# KiCad board corevus-g.kicad_pcb (continued)
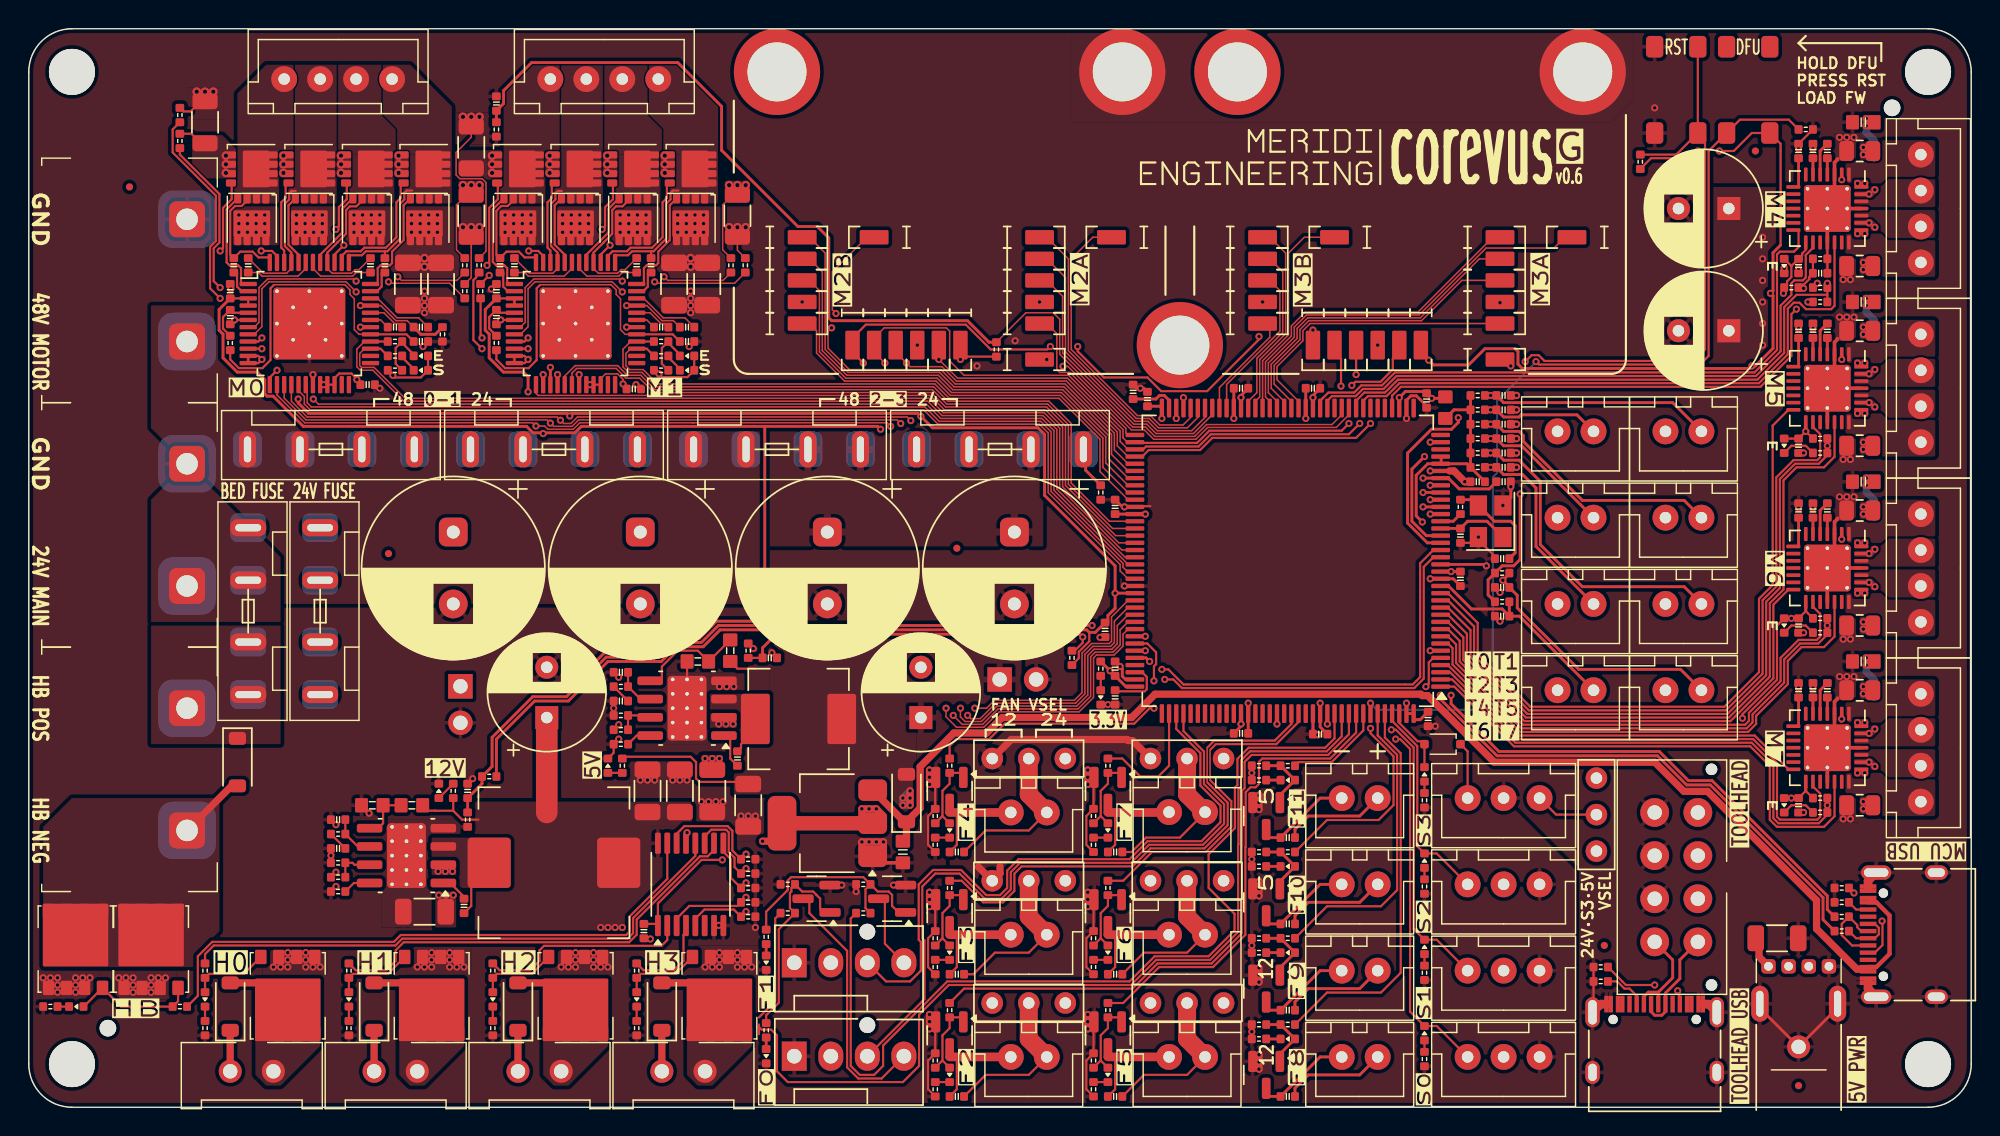
[diagram p0: board, top side]
## Copper pours and planes (outline as drawn; the poured copper is in the pictures) (continued)
+12V on In2.Cu: 114.75,15.75 117.25,15.75 117.25,13.25 114.75,13.25
+24V on Top: 29.7,15 29.7,12.5 28.25,12.5 28.25,15
+24V on Top: 49.2,27.4 49.2,26.25 47.3,26.25 47.3,27.4
+24V on Top: 127.45,56.5 127.45,55.5 128.7,55.5 128.7,56.5
+24V on Top: 127.45,31.5 127.45,30.5 128.7,30.5 128.7,31.5
+24V on Top: 46.75,24.5 48.25,24.5 48.25,23 46.75,23
+24V on Top: 29.7,17 29.7,15.75 28,15.75 28,17
+24V on Top: 127.45,44 127.45,43 128.7,43 128.7,44
+24V on Top: 117,64 122,64 122,53 120,51 116,51 116,52 117,53
+24V on Top: 127.45,69 127.45,68 128.7,68 128.7,69
+24V on Bottom: 44.25,30.25 47.25,30.25 47.25,25.25 44.25,25.25
+24V on Bottom: 25,20 28,20 28,15 25,15
+24V on Bottom: 18.5,33.25 22,33.25 22,26.75 18.5,26.75
+24V on Bottom: 116.25,27.75 71.5,27.75 66,33.25 16.75,33.25 16.75,27.5 14.5,25.25 9,25.25 9,21.25 11,19.25 9,17.25 9,0 127,0 127,17.25 135,17.25 135,67 123.5,67 120,63.5 120,31.5
+24V on Bottom: 12.25,4 45.5,4 45.5,1 12.25,1
+24V on Bottom: 15.25,24 20.5,24 20.5,16 15.25,16
+24V on Bottom: 114.75,21.75 117.25,21.75 117.25,16.25 114.75,16.25
GND on Top: 127.25,30.2 127.25,28.3 125.5,28.3 125.5,30.2
GND on Top: 50.48,59.58 50.48,61.5 48.52,61.5 48.52,59.58
GND on Top: 10.25,7.5 5.75,7.5 5.75,9.5 10.25,9.5
GND on Top: 125.45,32.3 125.45,34.2 127.2,34.2 127.2,32.3
GND on Top: 26.25,11.25 30.75,11.25 30.75,9.25 26.25,9.25
GND on Top: 43,57.25 48.75,57.25 48.75,54.75 43,54.75
GND on Top: 24.5,57.25 30.25,57.25 30.25,54.75 24.5,54.75
GND on Top: 46.75,24.5 46.75,22.5 41.75,22.5 41.75,24.5
GND on Top: 51.25,21.5 51.25,18.5 46.25,18.5 46.25,21.5
GND on Top: 127.25,67.7 127.25,65.8 125.5,65.8 125.5,67.7
GND on Top: 127.25,55.2 127.25,53.3 125.5,53.3 125.5,55.2
GND on Top: 31.62,59.98 31.62,61.35 31.45,61.5 30.05,61.5 29.88,61.3 29.88,59.98
GND on Top: 24.5,20 30,20 30,18.5 28,18.5 28,12.5 24.5,12.5
GND on Top: 44,30.25 49.5,30.25 49.5,28.75 47.25,28.75 47.25,25.25 44,25.25
GND on Top: 16.25,11.25 20.75,11.25 20.75,9.25 16.25,9.25
GND on Top: 125.45,19.8 125.45,21.7 127.2,21.7 127.2,19.8
GND on Top: 125.45,44.8 125.45,46.7 127.2,46.7 127.2,44.8
GND on Top: 127.25,42.7 127.25,40.8 125.5,40.8 125.5,42.7
GND on Top: 13.5,68.7 13.5,70.92 11,70.92 11,68.7
GND on Top: 125.45,57.3 125.45,59.2 127.2,59.2 127.2,57.3
GND on Top: 5,7.5 0.5,7.5 0.5,9.5 5,9.5
GND on Top: 26.25,11.25 30.75,11.25 30.75,9.25 26.25,9.25
GND on Top: 46.25,11.25 50.75,11.25 50.75,9.25 46.25,9.25
GND on Top: 36.25,11.25 40.75,11.25 40.75,9.25 36.25,9.25
GND on Top: 32,66.95 32,69.17 29.5,69.17 29.5,66.95
GND on Top, Bottom, In1.Cu, In2.Cu: 0,75 135,75 135,0 0,0
GND on Top, In1.Cu, In2.Cu: 72.5,68.5 72.5,75 111.5,75 111.5,70 110,68.5
GND on In1.Cu: 114.5,22 114.5,13 111.5,13 111.5,22
GND on In1.Cu, In2.Cu: 44.25,30.25 47.25,30.25 47.25,25.25 44.25,25.25
GND on In1.Cu, In2.Cu: 16,51 16,58 41,58 41,51
GND on In1.Cu, In2.Cu: 122,66 128,66 128,22 122,22
GND on In1.Cu, In2.Cu: 8,65 14,65 14,42 8,42
GND on In1.Cu, In2.Cu: 24.75,20 27.75,20 27.75,15 24.75,15
VSSA on Bottom: 101.5,49.75 120,49.75 120,31.5 116.25,27.75 101.5,27.75
/Bed_H+ on Top: 17.5,33.5 17.5,25.25 8.5,25.25 8.5,33.5
/Bed_H+ on Bottom: 9,25.5 9,33.25 16.5,33.25 16.5,27.25 14.75,25.5
/Bed_H+ on Bottom: 9,29.75 9,25.75 13,25.75 13,29.75
/Bed_H- on Top: 13.25,21.5 13.25,12.25 11.75,10.75 11.75,9.75 1,9.75 1,19.5 3,21.5
/Motor 0 (TMC2160)/A1 on Top: 21.5,72.5 24.5,72.5 24.5,69 25.5,68 25.5,66.25 21.5,66.25
/Motor 0 (TMC2160)/A1 on Top: 22.5,66.65 22.5,64.15 21.85,64.15 21.85,62.85 25.4,62.85 25.4,66.65
/Motor 0 (TMC2160)/A2 on Top: 26.5,66.65 26.5,64.15 25.85,64.15 25.85,62.85 29.4,62.85 29.4,66.65
/Motor 0 (TMC2160)/A2 on Top: 24.5,72.5 24.5,69 25.4,68.1 25.4,66.25 29.4,66.25 29.4,69.6 26.5,72.5
/Motor 0 (TMC2160)/B1 on Top: 14.5,66.65 14.5,64.15 13.85,64.15 13.85,62.85 17.4,62.85 17.4,66.65
/Motor 0 (TMC2160)/B1 on Top: 18.5,72.5 18.5,66.25 14.5,66.25 14.5,70.5 16.5,72.5
/Motor 0 (TMC2160)/B2 on Top: 18.5,66.65 18.5,64.15 17.85,64.15 17.85,62.85 21.4,62.85 21.4,66.65
/Motor 0 (TMC2160)/B2 on Top: 18.5,66.25 21.5,66.25 21.5,72.5 18.5,72.5
/Motor 1 (TMC2160)/A1 on Top: 40,72.5 43,72.5 43,69 44,68 44,66.25 40,66.25
/Motor 1 (TMC2160)/A1 on Top: 41,66.65 41,64.15 40.35,64.15 40.35,62.85 43.9,62.85 43.9,66.65
/Motor 1 (TMC2160)/A2 on Top: 45,66.65 45,64.15 44.35,64.15 44.35,62.85 47.9,62.85 47.9,66.65
/Motor 1 (TMC2160)/A2 on Top: 43,72.5 43,69 43.9,68.1 43.9,66.25 47.9,66.25 47.9,69.6 45,72.5
/Motor 1 (TMC2160)/B1 on Top: 37,72.5 37,66.25 33,66.25 33,70.5 35,72.5
/Motor 1 (TMC2160)/B1 on Top: 33,66.65 33,64.15 32.35,64.15 32.35,62.85 35.9,62.85 35.9,66.65
/Motor 1 (TMC2160)/B2 on Top: 37,66.25 40,66.25 40,72.5 37,72.5
/Motor 1 (TMC2160)/B2 on Top: 37,66.65 37,64.15 36.35,64.15 36.35,62.85 39.9,62.85 39.9,66.65
/Motor 4 (TMC2209)/A1 on Top: 132.5,60.25 132.5,62.4 126.85,62.4 126.85,61.75 128.1,61.75 128.65,61.2 128.65,60.65 129.05,60.25
/Motor 4 (TMC2209)/A2 on Top: 126.25,59.25 128.5,59.25 128.5,57.75 132.5,57.75 132.5,60.3 129.2,60.3 128.75,60.75 126.25,60.75
/Motor 4 (TMC2209)/B1 on Top: 132.5,64.75 132.5,62.6 126.85,62.6 126.85,63.25 128.1,63.25 128.65,63.8 128.65,64.35 129.05,64.75
/Motor 4 (TMC2209)/B2 on Top: 126.25,65.75 128.5,65.75 128.5,67.25 132.5,67.25 132.5,64.7 129.2,64.7 128.75,64.25 126.25,64.25
/Motor 4 (TMC2209)/BRA on Top: 126.85,61.75 128.1,61.75 128.55,61.3 128.55,60.95 126.85,60.95
/Motor 4 (TMC2209)/BRA on Top: 128.25,59.1 127.25,59.1 127.25,57.9 128.25,57.9
/Motor 4 (TMC2209)/BRA on In2.Cu: 127.25,58 127.25,60.75 127.5,60.75 127.5,62.38 129.88,62.38 129.88,58.75 129.12,58
/Motor 4 (TMC2209)/BRB on Top: 128.25,67.1 127.25,67.1 127.25,65.9 128.25,65.9
/Motor 4 (TMC2209)/BRB on Top: 126.85,63.25 128.1,63.25 128.55,63.7 128.55,64.05 126.85,64.05
/Motor 4 (TMC2209)/BRB on In2.Cu: 127.25,67 127.25,64.25 127.5,64.25 127.5,62.62 129.88,62.62 129.88,66.25 129.12,67
/Motor 5 (TMC2209)/A1 on Top: 132.5,47.75 132.5,49.9 126.85,49.9 126.85,49.25 128.1,49.25 128.65,48.7 128.65,48.15 129.05,47.75
/Motor 5 (TMC2209)/A2 on Top: 126.25,46.75 128.5,46.75 128.5,45.25 132.5,45.25 132.5,47.8 129.2,47.8 128.75,48.25 126.25,48.25
/Motor 5 (TMC2209)/B1 on Top: 132.5,52.25 132.5,50.1 126.85,50.1 126.85,50.75 128.1,50.75 128.65,51.3 128.65,51.85 129.05,52.25
/Motor 5 (TMC2209)/B2 on Top: 126.25,53.25 128.5,53.25 128.5,54.75 132.5,54.75 132.5,52.2 129.2,52.2 128.75,51.75 126.25,51.75
/Motor 5 (TMC2209)/BRA on Top: 126.85,49.25 128.1,49.25 128.55,48.8 128.55,48.45 126.85,48.45
/Motor 5 (TMC2209)/BRA on Top: 128.25,46.6 127.25,46.6 127.25,45.4 128.25,45.4
/Motor 5 (TMC2209)/BRA on In2.Cu: 127.25,45.5 127.25,48.25 127.5,48.25 127.5,49.88 129.88,49.88 129.88,46.25 129.12,45.5
/Motor 5 (TMC2209)/BRB on Top: 128.25,54.6 127.25,54.6 127.25,53.4 128.25,53.4
/Motor 5 (TMC2209)/BRB on Top: 126.85,50.75 128.1,50.75 128.55,51.2 128.55,51.55 126.85,51.55
/Motor 5 (TMC2209)/BRB on In2.Cu: 127.25,54.5 127.25,51.75 127.5,51.75 127.5,50.12 129.88,50.12 129.88,53.75 129.12,54.5
/Motor 6 (TMC2209)/A1 on Top: 132.5,35.25 132.5,37.4 126.85,37.4 126.85,36.75 128.1,36.75 128.65,36.2 128.65,35.65 129.05,35.25
/Motor 6 (TMC2209)/A2 on Top: 126.25,34.25 128.5,34.25 128.5,32.75 132.5,32.75 132.5,35.3 129.2,35.3 128.75,35.75 126.25,35.75
/Motor 6 (TMC2209)/B1 on Top: 132.5,39.75 132.5,37.6 126.85,37.6 126.85,38.25 128.1,38.25 128.65,38.8 128.65,39.35 129.05,39.75
/Motor 6 (TMC2209)/B2 on Top: 126.25,40.75 128.5,40.75 128.5,42.25 132.5,42.25 132.5,39.7 129.2,39.7 128.75,39.25 126.25,39.25
/Motor 6 (TMC2209)/BRA on Top: 126.85,36.75 128.1,36.75 128.55,36.3 128.55,35.95 126.85,35.95
/Motor 6 (TMC2209)/BRA on Top: 128.25,34.1 127.25,34.1 127.25,32.9 128.25,32.9
/Motor 6 (TMC2209)/BRA on In2.Cu: 127.25,33 127.25,35.75 127.5,35.75 127.5,37.38 129.88,37.38 129.88,33.75 129.12,33
/Motor 6 (TMC2209)/BRB on Top: 126.85,38.25 128.1,38.25 128.55,38.7 128.55,39.05 126.85,39.05
/Motor 6 (TMC2209)/BRB on Top: 128.25,42.1 127.25,42.1 127.25,40.9 128.25,40.9
/Motor 6 (TMC2209)/BRB on In2.Cu: 127.25,42 127.25,39.25 127.5,39.25 127.5,37.62 129.88,37.62 129.88,41.25 129.12,42
/Motor 7 (TMC2209)/A1 on Top: 132.5,22.75 132.5,24.9 126.85,24.9 126.85,24.25 128.1,24.25 128.65,23.7 128.65,23.15 129.05,22.75
/Motor 7 (TMC2209)/A2 on Top: 126.25,21.75 128.5,21.75 128.5,20.25 132.5,20.25 132.5,22.8 129.2,22.8 128.75,23.25 126.25,23.25
/Motor 7 (TMC2209)/B1 on Top: 132.5,27.25 132.5,25.1 126.85,25.1 126.85,25.75 128.1,25.75 128.65,26.3 128.65,26.85 129.05,27.25
/Motor 7 (TMC2209)/B2 on Top: 126.25,28.25 128.5,28.25 128.5,29.75 132.5,29.75 132.5,27.2 129.2,27.2 128.75,26.75 126.25,26.75
/Motor 7 (TMC2209)/BRA on Top: 126.85,24.25 128.1,24.25 128.55,23.8 128.55,23.45 126.85,23.45
/Motor 7 (TMC2209)/BRA on Top: 128.25,21.6 127.25,21.6 127.25,20.4 128.25,20.4
/Motor 7 (TMC2209)/BRA on In2.Cu: 127.25,20.5 127.25,23.25 127.5,23.25 127.5,24.88 129.88,24.88 129.88,21.25 129.12,20.5
/Motor 7 (TMC2209)/BRB on Top: 128.25,29.6 127.25,29.6 127.25,28.4 128.25,28.4
/Motor 7 (TMC2209)/BRB on Top: 126.85,25.75 128.1,25.75 128.55,26.2 128.55,26.55 126.85,26.55
/Motor 7 (TMC2209)/BRB on In2.Cu: 127.25,29.5 127.25,26.75 127.5,26.75 127.5,25.12 129.88,25.12 129.88,28.75 129.12,29.5
VMB on Top: 13.9,62.65 29.95,62.65 29.95,57.7 29.75,57.5 25.9,57.5 23.45,59.95 13.9,59.95
VMB on Top: 32.4,62.65 48.45,62.65 48.45,57.7 48.25,57.5 44.4,57.5 41.95,59.95 32.4,59.95
VMB on Bottom: 49,44.5 49,63 13.25,63 13.25,47.25 16,44.5
VMB on In2.Cu: 42.55,47 44,45.55 44,39 42.25,39 38.05,43.2 38.05,47
VMB on In2.Cu: 27.05,47 31,43.05 31,39 28,39 22.55,44.45 22.55,47
VMC on Top: 51,48.25 51,39 70.5,39 70.5,48.25
VMC on Bottom: 55,75 55,69 49.25,69 49.25,75
VMC on Bottom: 49.25,75 87,75 87,60 80,53 80,49.25 75.25,44.5 49.25,44.5
VMC on Bottom: 87,75 87,69 81,69 81,75
Net-(D36-A) on Top: 30.25,8.75 30.25,4.25 27.5,1.5 26.5,1.5 25.75,2.25 25.75,8.75
Net-(D38-A) on Top: 20.25,8.75 20.25,4.25 17.5,1.5 16.5,1.5 15.75,2.25 15.75,8.75
Net-(D39-A) on Top: 40.25,8.75 40.25,4.25 37.5,1.5 36.5,1.5 35.75,2.25 35.75,8.75
Net-(D40-A) on Top: 50.25,8.75 50.25,4.25 47.5,1.5 46.5,1.5 45.75,2.25 45.75,8.75
Net-(J3-Pin_2) on Top: 11,44.75 8.5,47.25 8.5,55.75 14,55.75 14,52.5 18.25,48.25 51,48.25 51,35 11,35
Net-(J3-Pin_2) on Top: 8.5,55.75 8.5,47.25 11,44.75 19.75,44.75 19.75,49.5 13.5,55.75
Net-(J3-Pin_2) on Bottom: 9,55.25 9,51.25 13,51.25 13,55.25
Net-(J3-Pin_2) on Bottom: 9,55.25 9,46.75 11.25,44.5 20.25,44.5 20.25,48 13,55.25
Net-(J35-Pin_2) on Top: 8.5,33.75 17.5,33.75 17.5,38.25 11,44.75 8.5,42.25
Net-(J35-Pin_2) on Bottom: 9,38.25 9,34.25 13,34.25 13,38.25
Net-(J35-Pin_2) on Bottom: 66.25,33.5 9,33.5 9,42.75 11,44.75 11.5,44.25 27.25,44.25 30,47 35,47 37.75,44.25 58.25,44.25 61,47 66.25,47
Net-(Q7-S-Pad1) on Top: 32.9,64.67 31.9,64.67 31.9,66.47 32.9,66.47
Net-(Q7-S-Pad1) on Top: 32.9,64.5 30.05,64.5 29.75,64.8 29.75,66.55 32.9,66.55
Net-(Q7-S-Pad1) on Top: 36.9,64.67 35.9,64.67 35.9,66.47 36.9,66.47
Net-(Q7-S-Pad1) on Bottom: 31.75,67.5 36.75,67.5 36.75,63.25 31.75,63.25
Net-(Q10-S-Pad1) on Top: 50.12,62.9 50.12,64.42 48.38,64.42 48.38,62.9
Net-(Q10-S-Pad1) on Top: 44.9,64.67 43.9,64.67 43.9,66.47 44.9,66.47
Net-(Q10-S-Pad1) on Top: 40.9,64.67 39.9,64.67 39.9,66.47 40.9,66.47
Net-(Q10-S-Pad1) on Bottom: 39.75,67.5 50.25,67.5 50.25,63.25 39.75,63.25
Net-(Q15-S-Pad1) on Top: 18.4,64.67 17.4,64.67 17.4,66.47 18.4,66.47
Net-(Q15-S-Pad1) on Top: 14.4,64.6 14.4,66.65 13.45,67.6 11.35,67.6 11.35,65.55 12.3,64.6
Net-(Q15-S-Pad1) on Bottom: 13.25,67.5 18.25,67.5 18.25,63.25 13.25,63.25
Net-(Q17-S-Pad1) on Top: 26.4,64.67 25.4,64.67 25.4,66.47 26.4,66.47
Net-(Q17-S-Pad1) on Top: 31.62,62.9 31.62,64.42 29.88,64.42 29.88,62.9
Net-(Q17-S-Pad1) on Top: 22.4,64.67 21.4,64.67 21.4,66.47 22.4,66.47
Net-(Q17-S-Pad1) on Bottom: 21.25,67.5 31.75,67.5 31.75,63.25 21.25,63.25
Net-(U3-PH) on Top: 33.5,18.75 28,18.75 28,15.75 29.75,15.75 29.75,15.25 33.5,15.25
Net-(U4-PH) on Top: 51.5,28.75 51.5,25.5 49,25.5 49,27.25 47.25,27.25 47.25,28.75

Small or netless copper shapes (teardrops, artwork), in the pictures only: 8 on Top

## Text on the board
User.Drawings: EXTEND BOARD THIS WAY
F.Silkscreen: RST | DFU | BED FUSE | 24V FUSE | v0.6 | TOOLHEAD USB | HOLD DFU / PRESS RST / LOAD FW | FAN VSEL | 24V·S3·5V / VSEL | 3.3V | 48 | 0-1 | 24 | 2-3 | 12 | 5V PWR | TOOLHEAD | MCU USB | 48V MOTOR | 24V MAIN | HB POS | HB NEG | E | S | F11 | F10 | 12V | T0 / T2 / T4 / T6 | T1 / T3 / T5 / T7 | 5V | S3 | S2 | S1 | S0 | M1 | M0 | M2B | M2A | M3B | M3A | M4 | M5 | M6 | M7 | GND | H0 | H1 | H2 | H3 | 5 | F1 | F0 | F4 | F3 | F2 | F7 | F6 | F5 | F9 | F8 | HB | G | corevus
